# Altium PCB MB2032.PcbDoc (part 2 of 2)
Units mm, origin at the board's own origin, x right, y up, seen from the top; angles counter-clockwise.
Board outline 43.1 x 54.35 mm, 4 copper layers (Top Layer, Internal 1, Internal 2, Bottom Layer), stack 1.614 mm thick; 112 components, 86 nets, 372 pads, 581 vias.
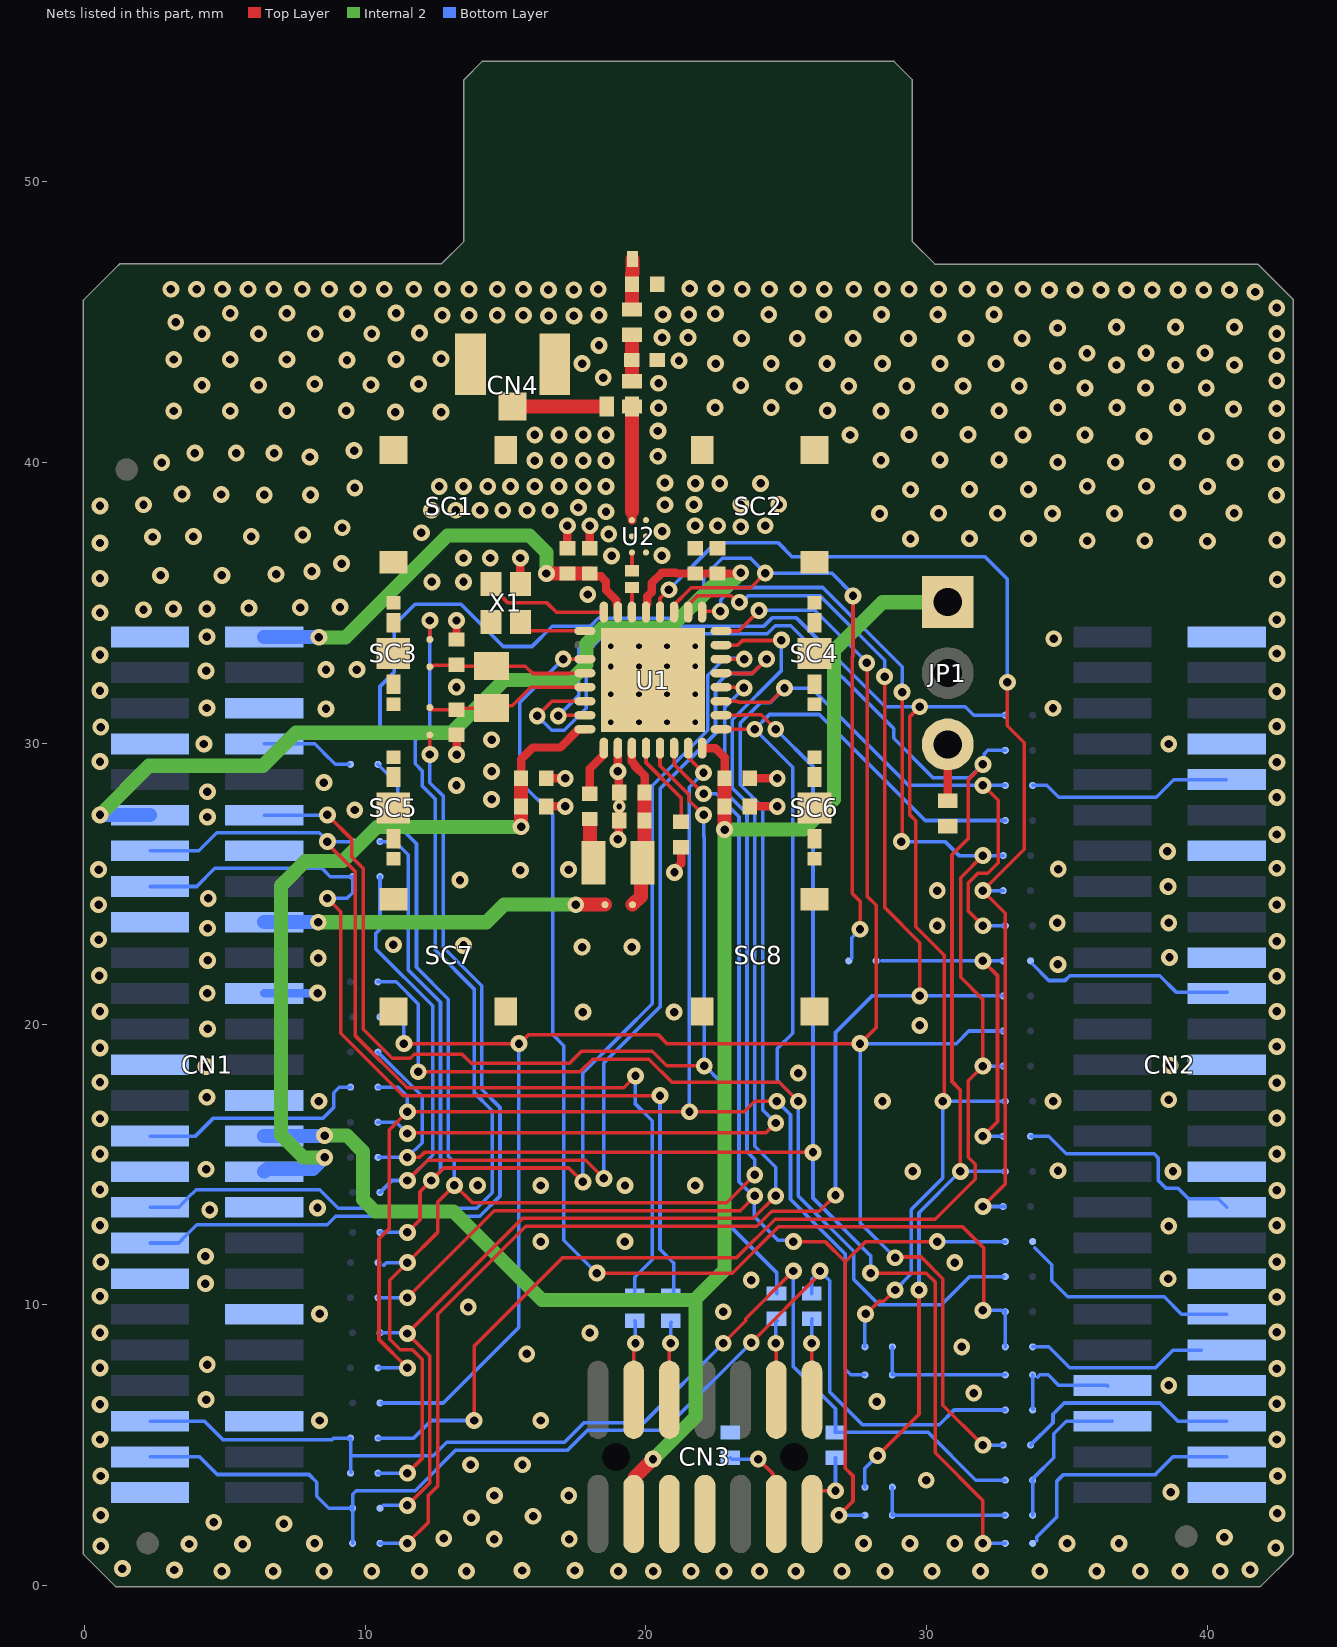
[diagram p4: the nets of this part, all layers, seen from the top]

## Via types
v1: diameter 0.6, hole 0.3, Top Layer to Bottom Layer, tented both sides, 564 vias
v2: diameter 0.45, hole 0.2, Top Layer to Bottom Layer, tented both sides, 17 vias

## Nets (pads, with @x,y where several pads share a name; then routed paths per layer and width w, separated by ;. In a path a pad name is that pad's centre, name@x,y a point inside that pad or via, vN(x,y) a via of type N, cw(c..) or ccw(c..) an arc to the next point about the centre after c; other vN are vias at no path point) (continued)
GND: C1.1 C2.1 C3.1 C4.1 C5.1 C6.1 C8.1 C9.2 C10.1 C11.1 C12.1 C13.1 C14.1 C15.1 C16.1 CN1.1 CN1.6 CN1.7 CN1.14 CN1.17 CN1.22 CN1.25 CN1.28 CN1.31 CN1.34 CN1.37 CN1.40 CN1.46 CN1.49 CN2.2 CN2.8 CN2.14 CN2.20 CN2.26 CN2.32 CN2.38 CN2.44 CN2.50 CN3.5 CN3.7 CN4.2 CN4.3 R3.1 R9.1 SC1.1 SC2.1 SC3.1 SC4.1 SC5.1 SC6.1 SC7.1 SC8.1 U1.26 U1.33 U2.A2 U2.B1 U2.B2 U2.B3 X1.2 X1.4 | length 13.1
  Top Layer w0.3: C9.2@13.25,30.3 13.251,30.299 13.251,29.597 v1(13.253,29.595) ; C8.1@13.25,33.7 v1(13.25,34.375) ; X1.2@15.525,35.925 v1(15.525,36.6) ; C14.1@16.45,27.75 v1(17.125,27.75) ; C11.1@16.45,28.75 v1(17.125,28.75) ; C3.1@17.2,36.95 v1(17.2,37.75) ; C4.1@18,36.95 v1(18,37.75) ; v1(19,26.575) 19.025,26.6 19.025,27.225 C15.1@19.05,27.25 C12.1@19.05,28.25 19.025,28.275 v1@19.025,28.925 ; v1(19,29) U1.26@19,29.825 ; v1(21.015,25.4) 21.015,25.48 21.25,25.714 C16.1@21.25,26.3 ; C13.1@23.7,27.75 v1(24.675,27.75) ; C10.1@23.7,28.75 v1(24.675,28.75)
  Bottom Layer w0.3: CN1.22@6.401,21.088 8.288,21.088 v1(8.3,21.1)
  other v1: 4.894,0.508 6.723,0.508 8.527,0.508 10.228,0.508 11.93,0.508 13.607,0.508 19.017,0.508 20.261,0.508 21.608,0.508 22.776,0.508 24.046,0.508 25.341,0.508 26.978,0.508 28.516,0.508 30.193,0.508 31.916,0.508 34.028,0.508 36.06,0.508 37.61,0.508 39.024,0.508 40.454,0.508 15.588,0.533 17.467,0.533 3.2,0.55 41.521,0.559 1.35,0.6 42.436,1.337 0.575,1.4 5.631,1.473 3.725,1.475 8.196,1.499 27.75,1.5 29.4,1.5 31,1.5 35,1.5 36.85,1.5 14.597,1.651 17.264,1.651 12.794,1.676 40.607,1.716 7.1,2.2 4.6,2.25 13.778,2.413 15.98,2.464 0.575,2.5 42.486,2.565 17.25,3.2 14.602,3.205 38.7,3.325 29.983,3.75 0.575,3.9 42.5,3.9 13.75,4.3 15.6,4.3 0.55,5.2 42.475,5.2 8.375,5.875 16.25,5.875 0.55,6.45 42.475,6.475 28.225,6.55 4.331,6.62 31.675,6.85 38.625,7.125 42.475,7.725 0.55,7.75 4.372,7.865 15.75,8.25 31.25,8.5 0.55,9 18.003,8.998 42.475,9.025 8.375,9.675 22.75,9.75 13.67,9.915 42.475,10.275 0.55,10.3 4.306,10.75 23.75,10.875 38.6,10.925 31,11.5 0.575,11.525 42.475,11.525 4.306,11.725 16.25,12.25 19.25,12.25 38.625,12.8 0.55,12.825 42.475,12.825 4.458,13.376 8.299,13.449 42.475,14.075 0.55,14.1 16.253,14.248 19.253,14.248 21.753,14.248 14,14.25 29.503,14.748 38.775,14.75 34.678,14.773 4.331,14.824 0.55,15.375 42.475,15.375 0.55,16.625 42.475,16.65 8.35,17.25 28.425,17.25 34.503,17.248 38.625,17.3 4.356,17.39 42.475,17.9 0.55,17.925 25.425,18.25 4.331,18.482 38.675,18.525 0.55,19.15 42.475,19.2 4.382,19.828 29.75,19.95 17.75,20.425 21,20.425 0.55,20.45 42.475,20.45 4.372,21.098 42.475,21.7 0.525,21.725 34.675,22.125 4.382,22.266 8.325,22.35 38.65,22.375 17.725,22.74 19.5,22.74 13.5,22.8 11,22.825 42.475,22.95 0.5,23 4.382,23.409 30.375,23.5 34.65,23.6 38.625,23.6 0.5,24.25 42.475,24.25 4.407,24.476 30.375,24.75 38.6,24.893 13.375,25.125 0.5,25.5 15.525,25.48 17.246,25.5 34.684,25.518 42.475,25.55 38.575,26.15 42.475,26.75 4.375,27.375 9.625,27.625 14.5,28 42.475,28.075 4.375,28.275 13.25,28.5 8.525,28.6 14.5,29 42.475,29.325 0.55,29.35 4.25,29.975 38.625,29.975 14.5,30.125 0.575,30.575 42.475,30.6 8.6,31.225 4.356,31.258 34.5,31.25 42.475,31.85 0.55,31.875 13.25,32 4.331,32.579 8.6,32.625 9.7,32.625 0.55,33.15 42.475,33.2 34.525,33.725 4.356,33.798 42.475,34.4 0.55,34.65 2.1,34.759 3.163,34.789 4.356,34.789 5.855,34.814 7.684,34.835 9.1,34.85 17.925,35.3 12.375,35.75 13.5,35.75 42.486,35.832 0.55,35.875 2.71,35.982 4.894,35.982 6.825,36.023 8.1,36.125 9.159,36.402 13.5,36.6 14.45,36.6 18.775,36.675 20.568,36.685 0.551,37.135 40,37.2 35.718,37.214 37.77,37.214 42.477,37.236 29.423,37.283 31.524,37.296 33.624,37.296 2.425,37.35 3.878,37.363 5.936,37.363 7.775,37.425 18.675,37.45 12,37.5 20.575,37.55 9.181,37.677 23.375,37.715 21.75,37.75 22.55,37.75 24.25,37.75 28.323,38.183 30.424,38.196 32.524,38.196 34.476,38.186 36.69,38.186 38.95,38.2 40.95,38.2 18.576,38.25 12.361,38.3 13.225,38.3 14.089,38.3 14.899,38.3 15.763,38.3 16.575,38.3 17.591,38.4 0.551,38.456 2.1,38.5 20.675,38.5 21.708,38.502 23.382,38.502 24.732,38.502 42.461,38.837 4.869,38.862 6.4,38.85 8.05,38.85 3.475,38.875 29.423,39.033 31.524,39.046 33.624,39.046 9.625,39.1 12.636,39.15 13.5,39.15 14.364,39.15 15.174,39.15 16.038,39.15 16.902,39.15 17.766,39.15 18.576,39.15 35.718,39.158 37.824,39.158 40,39.15 21.762,39.258 22.626,39.258 24.084,39.258 20.675,39.275 42.444,39.96 2.75,40 34.668,40.014 36.72,40.014 38.934,40.014 40.986,40.014 16.038,40.068 16.902,40.068 17.766,40.068 18.576,40.068 28.373,40.083 30.474,40.096 32.574,40.096 8.025,40.2 20.425,40.225 3.931,40.338 5.404,40.338 6.75,40.338 9.6,40.425 37.746,40.932 39.96,40.932 42.467,40.97 16.038,40.986 16.902,40.986 17.766,40.986 18.576,40.986 27.273,40.983 29.374,40.996 31.474,40.996 33.426,40.986 35.64,40.986 20.425,41.125 11.075,41.8 12.7,41.8 28.373,41.833 3.175,41.838 5.191,41.838 7.2,41.85 9.325,41.85 26.46,41.85 30.474,41.846 32.574,41.846 40.932,41.904 42.467,41.927 20.45,41.95 22.464,41.958 24.462,41.958 34.668,41.958 36.774,41.958 38.934,41.958 35.64,42.66 37.8,42.66 39.96,42.66 25.27,42.725 27.223,42.725 29.29,42.725 31.298,42.725 33.298,42.725 4.183,42.755 6.2,42.755 23.373,42.75 10.2,42.775 8.2,42.8 11.9,42.8 20.45,42.825 42.467,42.918 18.475,43.025 34.661,43.444 36.762,43.476 38.862,43.476 40.962,43.476 17.725,43.525 22.48,43.525 24.461,43.525 26.448,43.525 28.423,43.525 30.48,43.525 32.473,43.525 21.175,43.625 9.35,43.65 3.175,43.671 5.191,43.671 7.208,43.671 11.1,43.675 12.7,43.7 42.467,43.807 35.711,43.897 37.812,43.909 39.912,43.909 18.325,44.175 23.405,44.425 25.386,44.425 27.373,44.425 29.348,44.425 31.405,44.425 33.398,44.425 20.575,44.45 21.5,44.45 4.183,44.588 6.2,44.588 8.216,44.588 10.232,44.588 42.467,44.594 11.932,44.613 34.661,44.794 36.762,44.826 38.862,44.826 40.962,44.826 3.25,45 16.531,45.224 17.431,45.224 12.742,45.25 13.7,45.25 14.7,45.25 15.631,45.25 18.325,45.249 20.6,45.275 21.525,45.275 24.37,45.275 26.323,45.275 28.39,45.275 30.398,45.275 32.398,45.275 9.35,45.3 22.473,45.3 5.191,45.321 7.208,45.321 11.1,45.325 42.467,45.509 41.699,46.077 16.525,46.15 17.425,46.15 34.372,46.147 35.288,46.147 36.204,46.147 37.12,46.147 38.036,46.147 38.952,46.147 39.868,46.147 40.784,46.147 3.077,46.177 3.992,46.177 4.908,46.177 5.824,46.177 6.74,46.177 7.757,46.175 8.722,46.175 9.738,46.175 10.675,46.175 11.725,46.175 12.742,46.175 13.7,46.175 14.7,46.175 15.631,46.175 18.3,46.175 23.43,46.175 24.395,46.175 25.411,46.175 26.348,46.175 27.398,46.175 28.415,46.175 29.373,46.175 30.423,46.175 31.43,46.175 32.423,46.175 33.423,46.175 21.561,46.2 22.498,46.2
  other v2: 19.05,27.75 18.75,30.75 19.75,30.75 20.75,30.75 21.75,30.75 18.75,31.75 19.75,31.75 20.75,31.75 21.75,31.75 18.75,32.737 19.75,32.737 20.75,32.75 21.75,32.75 18.75,33.457 19.75,33.457 20.75,33.457 21.75,33.457
LD1: CN2.10 SB9.2 | length 7.3
  Bottom Layer w0.127: SB9.2@33.775,28.5 34.275,28.5 34.7,28.075 38.175,28.075 38.8,28.7 CN2.10@40.675,28.7
LD2: CN1.29 SB16.2 | length 8.2
  Bottom Layer w0.127: CN1.29@2.334,16.008 3.953,16.008 4.595,16.65 8.5,16.65 8.875,17.025 8.875,17.55 9.075,17.75 SB16.2@9.475,17.75
LD3: CN2.48 SB7.2 | length 8.8
  Bottom Layer w0.127: 33.925,1.6 33.925,1.725 34.625,2.425 34.625,3.7 34.875,3.95 38.15,3.95 ; 38.138,3.953 38.764,4.578 CN2.48@40.688,4.578
LPUART_CTS: SB49.1 SB52.2 SB53.2 | length 11.7
  Top Layer w0.127: v1(32,16) 32.523,16.523 32.523,21.727 v1(32,22.25)
  Bottom Layer w0.127: 28.4,22.25 v1(32,22.25) SB52.2@32.7,22.25 ; v1(32,16) SB53.2@32.725,16 SB53.2@32.75,16
LPUART_RTS: CN1.8 SB45.2 | length 3.3
  Bottom Layer w0.127: CN1.8@6.401,29.978 8.203,29.978 8.5,29.682 8.5,29.675 8.925,29.25 SB45.2@9.425,29.25
LPUART_RX: SB31.2 SB35.2 SB57.1 | length 5
  Bottom Layer w0.127: SB31.2@28.775,2.5 SB57.1@32.8,2.5 ; SB35.2@28.775,3.5 28.775,2.55 SB31.2@28.8,2.525
LPUART_TX: SB29.2 SB33.2 SB55.1 | length 5
  Bottom Layer w0.127: SB29.2@28.775,7.5 SB33.2@28.775,8.5 ; SB29.2@28.8,7.525 28.825,7.5 SB55.1@32.8,7.5
NetANT1_1: ANT1.1 C1.2 R10.2 | length 1.7
  Top Layer w0.5: R10.2@19.5,45.5 C1.2@19.5,46.35 ; C1.2@19.5,46.425 19.5,46.725 19.52,46.745 ANT1.1@19.52,47.25
NetC2_2: C2.2 R1.2 R10.1 | length 1.6
  Top Layer w0.5: R1.2@19.5,42.9 R10.1@19.5,44.525
NetC7_1: C7.1 U1.14 | length 0.9
  Top Layer w0.15: U1.14@19.5,34.675 C7.1@19.5,35.55
NetC7_2: C7.2 U2.A3 | length 0.6
  Top Layer w0.15: C7.2@19.5,36.15 U2.A3@19.5,36.795
NetC8_2: C8.2 SB1.2 U1.20 X2.2 | length 5.6
  Top Layer w0.127: SB1.2@12.301,32.749 12.412,32.749 12.438,32.775 13.225,32.775 C8.2@13.25,32.8 ; C8.2@13.3,32.775 13.325,32.75 X2.2@14.5,32.75 15.7,32.75 15.963,32.487 17.263,32.487 17.276,32.5 U1.20@17.825,32.5
NetC9_1: C9.1 SB2.2 U1.21 X2.1 | length 5.7
  Top Layer w0.127: SB2.2@12.301,31.201 12.414,31.201 ; 12.415,31.2 C9.1@13.25,31.2 ; C9.1@13.325,31.25 X2.1@14.5,31.25 14.591,31.341 15.241,31.341 15.9,32 U1.21@17.8,32
NetC12_2: C12.2 C15.2 L3.1 SB3.1 U1.27 | length 5.9
  Top Layer w0.3: U1.27@19.5,29.825 19.5,29.349 19.6,29.249 19.6,29.2 19.95,28.85 C12.2@19.95,28.3
  Top Layer w0.5: SB3.1@19.525,24.25 19.82,24.545 19.82,25.695 L3.1@19.875,25.75 ; L3.1@19.875,25.775 19.95,25.85 C15.2@19.95,27.25 C12.2@19.95,28.25
NetC16_2: C16.2 U1.28 | length 3.1
  Top Layer w0.127: U1.28@20,29.825 20,29.314 21.25,28.064 C16.2@21.25,27.2
NetCN2_22: CN2.22 SB52.1 | length 7.5
  Bottom Layer w0.127: 33.775,22.125 34.35,21.55 34.925,21.55 35.1,21.725 38.3,21.725 38.9,21.125 CN2.22@40.7,21.125
NetCN2_34: CN2.34 SB53.1 | length 8.5
  Bottom Layer w0.127: SB53.1@33.7,16 34.35,16 34.975,15.375 38.1,15.375 38.25,15.225 38.25,14.425 38.525,14.15 38.95,14.15 39.325,13.775 40.385,13.775 CN2.34@40.691,13.468
NetCN2_43: CN2.43 SB54.2 SB55.2 | length 3.9
  Bottom Layer w0.127: SB55.2@33.775,7.5 33.775,6.3 SB54.2@33.8,6.275 ; 33.95,7.425 34.025,7.5 34.325,7.5 34.7,7.125 36.425,7.125 CN2.43@36.45,7.1
NetCN2_45: CN2.45 SB56.2 SB57.2 | length 5.5
  Bottom Layer w0.127: SB56.2@33.75,3.75 33.775,3.725 SB57.2@33.775,2.5 ; SB56.2@33.775,3.75 33.775,3.784 33.838,3.848 33.838,3.864 34.525,4.55 34.525,5.4 34.975,5.85 CN2.45@36.6,5.85
NetCN3_4: CN3.4 R7.1 | length 2.8
  Top Layer w0.127: CN3.4@19.561,6.614 19.561,8.561 v1(19.625,8.625)
  Bottom Layer w0.127: R7.1@19.6,9.425 19.625,9.4 v1(19.625,8.625)
NetCN3_6: CN3.6 R6.1 | length 2.8
  Top Layer w0.127: CN3.6@20.831,6.614 20.831,8.581 v1(20.875,8.625)
  Bottom Layer w0.127: v1(20.875,8.625) 20.875,9.35 R6.1@20.9,9.375
NetCN3_11: CN3.11 R9.2 | length 3.2
  Top Layer w0.127: v1(24,4.5) 24.524,3.976 24.524,2.662 CN3.11@24.641,2.544
  Bottom Layer w0.127: R9.2@23,4.55 23.05,4.5 v1(24,4.5)
NetCN3_12: CN3.12 R5.1 | length 2.8
  Top Layer w0.127: v1(24.625,8.625) 24.641,8.609 CN3.12@24.641,6.614
  Bottom Layer w0.127: v1(24.625,8.625) 24.625,9.375 R5.1@24.675,9.425
NetCN3_13: CN3.13 R8.2 | length 2.7
  Top Layer w0.127: CN3.13@25.911,2.544 25.911,3.092 26.195,3.375 v1(26.75,3.375)
  Bottom Layer w0.127: v1(26.75,3.375) R8.2@26.75,4.55
NetCN3_14: CN3.14 R4.1 | length 2.9
  Top Layer w0.127: v1(25.9,8.625) 25.911,8.614 CN3.14@25.911,6.614
  Bottom Layer w0.127: v1(25.9,8.625) 25.9,9.475 R4.1@25.925,9.5
NetCN4_1: CN4.1 R2.2 | length 3.4
  Top Layer w0.5: CN4.1@15.25,42 R2.2@18.6,42
NetJP1_3: JP1.3 R3.2 | length 2
  Top Layer w0.3: R3.2@30.75,27.95 JP1.3@30.75,29.96 JP1.3@30.75,29.975
NetL2_1: L2.1 L3.2 | length 1.6
  Top Layer w0.5: L2.1@18,27.3 18,25.925 L3.2@18.125,25.8
NetL2_2: L2.2 U1.25 | length 1.8
  Top Layer w0.3: L2.2@18,28.225 18,29.1 18.5,29.6 U1.25@18.5,29.825
NetR1_1: R1.1 R2.1 U2.A1 | length 4.1
  Top Layer w0.32: U2.A1@19.5,37.949 19.5,38.25
  Top Layer w0.5: 19.5,38.25 R2.1@19.5,42
NetU1_16: U1.16 X1.3 | length 4.2
  Top Layer w0.127: X1.3@14.65,35.45 14.787,35.314 14.787,35.299 15.086,35 16.475,35 16.8,34.675 U1.16@18.475,34.675
NetU1_17: U1.17 X1.1 | length 2.4
  Top Layer w0.127: X1.1@15.525,34.325 15.837,34.013 17.812,34.013 U1.17@17.825,34
OSC32_IN: CN1.33 SB1.1 | length 35.4
  Top Layer w0.127: SB1.1@12.3,33.7 v1(12.3,34.375)
  Bottom Layer w0.127: CN1.33@2.334,13.468 3.356,13.468 3.663,13.775 3.663,13.788 3.975,14.1 8.375,14.1 9.039,13.437 13.97,13.437 14.523,13.99 14.523,16.91 13.875,17.558 13.875,21.25 12.5,22.625 12.5,28.008 12.023,28.485 12.023,29.027 11.775,29.275 11.775,30.1 12.3,30.625 v1(12.3,34.375)
OSC32_OUT: CN1.35 SB2.1 | length 30.6
  Top Layer w0.127: v1(12.3,29.6) SB2.1@12.3,30.3
  Bottom Layer w0.127: CN1.35@2.334,12.198 3.356,12.198 3.663,12.505 3.663,12.513 4,12.85 8.65,12.85 8.95,13.15 14.075,13.15 14.8,13.875 14.8,17.025 14.152,17.673 14.152,21.365 12.777,22.74 12.777,28.123 12.3,28.6 v1(12.3,29.6)
PA0: SB4.2 SB6.2 SB12.2 SB23.2 U1.8 | length 77.2
  Top Layer w0.127: v1(11.375,19.3) 15.5,19.3 15.825,19.625 20.425,19.625 20.748,19.302 21.34,19.302 21.342,19.3 v1(27.625,19.3) 28.2,19.875 28.2,24.225 27.875,24.55 27.875,32.857 v1(27.866,32.866) ; U1.8@22.675,34 23.3,34 v1(24.024,34.726) ; v1(28.875,11.675) 28.9,11.7 29.8,11.7 30.577,10.923 30.577,6.423 v1(32,5)
  Bottom Layer w0.127: SB4.2@10.526,20.274 SB4.2@10.639,20.274 ; SB23.2@10.575,6.5 12.775,6.5 15.475,9.2 v1(15.475,19.3) ; SB4.2@10.64,20.275 11.075,20.275 11.375,19.975 v1(11.375,19.3) ; v1(24.024,34.726) 24.041,34.742 26.007,34.742 27.866,32.884 v1(27.866,32.866) ; v1(28.875,11.675) 27.625,12.925 v1(27.625,19.3) 31.05,19.3 31.5,19.75 SB12.2@32.725,19.75 ; v1(32,5) SB6.2@32.725,5
PA1: SB25.2 SB38.2 U1.7 | length 47.2
  Top Layer w0.127: v1(11.5,2.85) 12.298,3.648 12.298,4.465 12.3,4.467 12.3,8.175 v1(11.5,8.975) 15.6,13.075 23.825,13.075 v1(24.625,13.875) ; U1.7@22.675,33.5 23.274,33.5 23.435,33.661 24.811,33.661 v1(24.825,33.675)
  Bottom Layer w0.127: SB25.2@10.525,9 11.475,9 v1(11.5,8.975) ; 10.65,2.85 v1(11.5,2.85) ; v1(24.625,13.875) 24.625,14.9 23.875,15.65 23.875,27.608 23.075,28.408 23.075,30.835 24.812,32.573 24.812,32.887 24.813,32.888 24.813,33.663 v1(24.825,33.675)
PA2: SB11.2 SB19.2 U1.6 | length 44.6
  Top Layer w0.127: v1(11.5,12.575) 11.95,13.025 11.95,14.025 12.796,14.871 17.254,14.871 v1(17.75,14.375) ; U1.6@22.675,33 v1(23.5,33)
  Bottom Layer w0.127: SB19.2@10.525,12.575 v1(11.5,12.575) ; SB11.2@10.525,26.5 11.05,26.5 11.525,26.025 11.525,21.925 12.679,20.771 12.679,14.754 v1(12.35,14.425) ; v1(17.75,14.375) 17.75,18.25 19.125,19.625 20.225,20.725 20.225,28.492 22.198,30.465 22.198,32.423 22.8,33.025 23.2,33.025 ; 23.2,33 v1(23.5,33)
PA3: SB17.2 SB30.2 U1.5 | length 44.1
  Top Layer w0.127: v1(11.5,14.425) 12.223,15.148 17.852,15.148 v1(18.5,14.5) ; U1.5@22.675,32.5 23.274,32.5 23.287,32.487 23.787,32.487 24.299,32.999 v1(24.299,33)
  Bottom Layer w0.127: SB30.2@10.525,14 10.95,14.425 v1(11.5,14.425) 12.4,15.325 12.4,15.808 12.402,15.81 12.402,20.225 ; SB17.2@10.525,25.25 10.525,23.375 10.375,23.225 10.375,22.675 12.4,20.65 12.4,20.225 ; v1(18.5,14.5) 18.5,18.608 20.502,20.61 20.502,28.377 22.475,30.35 22.475,32.05 22.912,32.487 23.787,32.487 24.299,32.999 v1(24.299,33)
PA8: SB39.2 SB41.2 SB51.1 U1.9 | length 58.8
  Top Layer w0.127: v1(13.875,5.875) 13.875,8.525 17.025,11.675 23.225,11.675 24.6,13.05 30.3,13.05 31.725,14.475 31.725,15 31.475,15.25 31.475,17.975 v1(32,18.5) 32,20.875 31.21,21.665 31.21,25.209 v1(32,26) ; U1.9@22,34.675 22.025,34.7 v1(22.65,34.7) ; v1(29.1,26.5) 29.125,26.525 v1(29.125,31.825)
  Bottom Layer w0.127: SB51.1@10.45,5.25 11.725,5.25 12.35,5.875 v1(13.875,5.875) ; v1(22.65,34.7) 22.666,34.716 22.666,35.116 23.1,35.55 26.3,35.55 29.125,32.725 v1(29.125,31.825) ; v1(29.1,26.5) 30.65,26.5 31.15,26 v1(32,26) SB41.2@32.725,26 ; v1(32,18.5) SB39.2@32.725,18.5
PA9: SB46.2 SB47.2 U1.10 | length 58.8
  Top Layer w0.127: v1(11.5,1.5) 12.25,2.25 12.25,3.208 12.575,3.533 12.575,4.35 12.577,4.352 12.577,9.66 15.715,12.798 23.948,12.798 24.45,13.3 24.458,13.3 24.485,13.327 26.177,13.327 v1(26.75,13.9) ; U1.10@21.5,34.675 21.5,34.925 21.839,35.264 23.015,35.264 23.253,35.026 v1(23.326,35.026) ; v1(28.5,32.375) 28.5,24.15 29.75,22.9 v1(29.75,21)
  Bottom Layer w0.127: SB46.2@10.525,1.5 v1(11.5,1.5) ; v1(23.326,35.026) 23.412,35.026 23.637,35.25 26.208,35.25 28.5,32.958 v1(28.5,32.375) ; v1(26.75,13.9) 26.75,19.7 28.05,21 v1(29.75,21) SB47.2@32.725,21
PA10: SB48.2 SB49.2 U1.11 | length 40.5
  Top Layer w0.127: U1.11@21,34.675 21,34.925 21.615,35.541 23.727,35.541 v1(24.25,36.063) ; v1(27.375,35.25) 27.375,33.101 27.348,33.074 27.348,24.652 27.625,24.375 v1@27.625,23.425
  Bottom Layer w0.127: SB48.2@10.525,30.5 10.525,32.025 11.025,32.525 11.025,34.2 11.773,34.948 13.41,34.948 14.91,33.448 15.94,33.448 16.665,34.173 18.023,34.173 18.304,34.454 21.271,34.454 22.05,35.233 22.05,35.921 22.717,36.588 23.725,36.588 v1(24.25,36.063) 26.612,36.063 27.375,35.3 v1(27.375,35.25) ; 27.325,22.35 27.325,23.075 v1(27.625,23.375)
PA11: SB43.2 SB44.2 U1.12 | length 39.6
  Top Layer w0.127: U1.12@20.5,34.675 20.5,35.172 20.799,35.471 v1(20.816,35.471) ; v1(32,13.5) 32.8,14.3 32.8,23.95 v1(32,24.75) 33.475,26.225 33.475,30.025 32.875,30.625 v1(32.875,32.175)
  Bottom Layer w0.127: v1(20.816,35.471) 22.495,37.15 24.7,37.15 25.198,36.652 26.14,36.652 26.142,36.65 32.075,36.65 32.875,35.85 v1(32.875,32.175) ; v1(32,13.5) SB44.2@32.725,13.5 SB44.2@32.8,13.5 ; v1(32,24.75) SB43.2@32.725,24.75
PB0: SB8.1 SB28.1 SB45.1 U1.4 | length 60.5
  Top Layer w0.127: v1(11.5,4) 12.023,4.523 12.023,8.06 11.683,8.4 11.25,8.4 10.875,8.775 10.875,10.875 v1(11.5,11.5) 12.575,12.575 12.575,13.65 v1(13.175,14.25) ; v1@13.175,14.275 13.825,13.625 15.367,13.625 15.371,13.629 22.879,13.629 v1(23.875,14.625) ; U1.4@22.675,32 23.46,32 v1(23.487,31.973)
  Bottom Layer w0.127: SB28.1@10.45,4 v1(11.5,4) ; SB45.1@10.45,29.25 11.15,28.55 11.15,27.1 11.825,26.425 11.825,22.017 12.956,20.886 12.956,15.294 13.175,15.075 v1(13.175,14.25) ; 10.65,11.4 10.75,11.5 v1(11.5,11.5) ; v1(23.487,31.973) 23.487,31.96 22.798,31.271 22.798,28.294 23.598,27.494 23.598,15.452 23.875,15.175 v1(23.875,14.625)
PB1: SB9.1 SB10.1 SB22.1 U1.3 | length 50
  Top Layer w0.127: v1(11.5,16.1) 11.525,16.125 24.275,16.125 v1(24.625,16.475) ; U1.3@22.675,31.5 23.247,31.5 23.287,31.46 24.425,31.46 v1(24.933,31.967) ; v1@31.975,23.525 31.487,24.014 31.487,25.037 31.825,25.375 32.175,25.375 32.55,25.75 32.55,27.975 v1@32,28.525
  Bottom Layer w0.127: SB10.1@10.45,16.5 11.1,16.5 v1(11.5,16.1) ; v1(24.625,16.475) 24.152,16.948 24.152,27.723 23.352,28.523 23.352,30.721 24.081,31.45 24.416,31.45 v1(24.933,31.967) 25.883,31.967 29.35,28.5 v1(32,28.5) SB9.1@32.8,28.5 ; v1(32,23.5) 32.75,23.5 SB22.1@32.775,23.525
PB2: SB5.1 SB7.1 SB13.1 U1.2 | length 56.4
  Top Layer w0.127: v1(11.5,15.25) 11.933,15.25 12.108,15.425 v1(25.95,15.425) ; U1.2@22.675,31 23.424,31 23.437,31.013 24.112,31.013 v1(24.625,30.5) ; v1(28,11.125) 29.983,11.125 30.3,10.808 30.3,4.725 32,3.025 v1(32,1.5)
  Bottom Layer w0.127: SB13.1@10.45,19 12.025,17.425 12.025,15.775 v1(11.5,15.25) SB5.1@10.475,15.25 ; v1(24.625,30.5) 25.95,29.175 25.95,13.8 28,11.75 v1(28,11.125) ; v1(32,1.5) SB7.1@32.8,1.5
PB3: SB14.1 SB15.1 SB24.1 U1.1 | length 58.1
  Top Layer w0.127: v1(11.889,18.3) 17.65,18.3 18.098,18.748 20.102,18.748 20.925,17.925 24.75,17.925 v1(25.425,17.25) ; U1.1@22.675,30.5 v1(23.875,30.5)
  Bottom Layer w0.127: SB15.1@10.45,21.5 11.1,21.5 11.889,20.712 v1(11.889,18.3) ; SB24.1@32.75,11 31.525,11 30.525,10 28.3,10 27.4,10.9 27.4,11.9 25.425,13.875 v1(25.425,17.25) 24.675,18 24.675,19.125 25.225,19.675 25.225,29.15 v1(23.875,30.5) 24.4,31.025 26.175,31.025 29.95,27.25 SB14.1@32.8,27.25
PB4: SB16.1 SB18.1 SB29.1 U1.31 | length 50.8
  Top Layer w0.127: v1(11.5,7.75) 10.49,8.76 10.49,12.354 10.85,12.715 10.85,16.225 v1(11.5,16.875) v1(21.55,16.875) 23.5,16.875 23.875,17.25 v1(24.665,17.25) ; U1.31@21.5,29.825 21.533,29.792 21.533,29.467 v1(22.05,28.95)
  Bottom Layer w0.127: SB16.1@10.45,17.75 11.175,17.75 11.5,17.425 v1(11.5,16.875) ; SB18.1@10.475,7.75 v1(11.5,7.75) ; v1(21.55,16.875) 21.538,16.887 21.538,28.439 v1(22.05,28.95) ; v1(24.665,17.25) 25.148,16.767 25.148,13.76 27.102,11.806 27.102,7.698 27.3,7.5 SB29.1@27.8,7.5
PB5: SB20.1 SB21.1 SB31.1 U1.30 | length 53.2
  Top Layer w0.127: v1(11.5,10.25) 14.598,13.348 15.481,13.348 15.485,13.352 23.352,13.352 v1(23.875,13.875) ; U1.30@21,29.825 21,29.25 22.05,28.2 v1(22.052,28.2) ; v1(25.25,12.25) 26.375,12.25 27.1,11.525 ; v1(26.875,2.5) 27.375,3 27.375,3.9 27.1,4.175 27.1,11.525 ; v1(30.375,12.25) 27.825,12.25 27.1,11.525
  Bottom Layer w0.127: SB21.1@10.45,10.25 v1(11.5,10.25) ; v1(22.052,28.2) 22.5,28.2 23.313,27.386 23.313,14.387 23.85,13.85 23.85,13.15 24.7,12.3 25.2,12.3 v1(25.25,12.25) ; v1(26.875,2.5) SB31.1@27.725,2.5 ; v1(30.375,12.25) SB20.1@32.8,12.25
PB6: SB32.1 SB33.1 SB40.1 U1.23 | length 47.7
  Top Layer w0.127: v1(16.875,30.975) 16.9,31 U1.23@17.825,31 ; v1@27.85,9.675 28.3,10.125 28.475,10.125 v1(28.875,10.525) ; v1(29.75,31.3) 29.402,30.952 29.402,27.448 29.613,27.237 29.613,23.462 30.623,22.452 30.623,17.298 v1(30.575,17.25)
  Bottom Layer w0.127: v1(16.875,30.975) 17.6,31.7 17.6,33.35 18.427,34.177 24.202,34.177 24.49,34.465 25.36,34.465 28.525,31.3 v1(29.75,31.3) 31.375,31.3 31.675,31 SB32.1@32.8,31 ; SB33.1@27.8,8.5 27.8,9.65 v1(27.825,9.675) ; v1(28.875,10.525) 29.448,11.098 29.448,13.39 30.575,14.517 v1(30.575,17.25) SB40.1@32.8,17.25
PB7: SB34.1 SB35.1 SB42.1 U1.22 | length 53.9
  Top Layer w0.127: v1(16.125,30.975) 16.65,31.5 U1.22@17.825,31.5 ; v1(28.25,4.625) 29.725,6.1 v1(29.725,10.525) ; v1(31.2,14.75) 31.198,14.752 31.198,17.652 30.9,17.95 30.9,26.025 31.487,26.612 31.487,28.713 32,29.226 v1(32,29.25)
  Bottom Layer w0.127: v1(16.125,30.975) 16.638,30.462 17.088,30.462 17.877,31.251 17.877,33.235 18.542,33.9 24.317,33.9 24.605,34.188 25.162,34.188 28.825,30.525 28.825,30.175 30.223,28.777 31.527,28.777 v1(32,29.25) 32.057,29.307 32.057,29.632 32.175,29.75 SB34.1@32.8,29.75 ; SB35.1@27.8,3.5 27.8,4.175 v1(28.25,4.625) v1@28.275,4.65 ; v1(29.725,10.525) 29.725,13.275 v1(31.2,14.75) SB42.1@32.8,14.75
PB14: SB36.1 SB37.1 U1.19 | length 43.6
  Top Layer w0.127: v1(17.05,33) U1.19@17.825,33 ; v1(18.25,11.125) 23.075,11.125 24.723,12.773 31.277,12.773 32.025,12.025 v1@32.025,9.8
  Bottom Layer w0.127: v1(17.05,33) 15.502,31.452 15.502,28.636 16.675,27.463 16.675,19.625 17.075,19.225 17.075,12.3 v1(18.25,11.125) ; v1(32,9.8) 32.662,9.8 32.688,9.774 32.774,9.774 SB36.1@32.788,9.788 ; SB36.1@32.775,9.8 SB36.1@32.787,9.788 ; SB37.1@32.8,8.5 SB36.1@32.8,9.75 32.8,9.775 SB36.1@32.788,9.788 ; SB36.1@32.8,9.8 SB36.1@32.788,9.788
T_NRST: CN1.12 R5.2 U1.29 | length 44.7
  Top Layer w0.127: v1(8.65,27.45) 9.525,26.575 9.525,25.942 9.927,25.54 9.927,19.815 10.967,18.775 11.6,18.775 11.75,18.925 13.448,18.925 13.775,18.598 17.275,18.598 17.702,19.025 20.225,19.025 20.74,18.51 v1(22.075,18.51) ; U1.29@20.5,29.825 20.5,29.206 21.527,28.179 21.527,27.973 22.05,27.45 v1(22.052,27.45)
  Bottom Layer w0.127: CN1.12@6.401,27.438 8.638,27.438 v1(8.65,27.45) ; v1(22.052,27.45) 22.05,27.448 22.05,26.675 22.075,26.65 22.075,18.525 22.675,17.925 22.675,13.125 24.651,11.149 R5.2@24.651,10.397
T_SWCLK: CN1.15 R6.2 SB17.1 | length 33.8
  Top Layer w0.127: v1(8.65,24.475) 9.125,24 9.125,19.675 11.35,17.45 v1(20.5,17.45)
  Bottom Layer w0.127: CN1.15@2.334,24.898 3.991,24.898 4.636,25.543 8.457,25.543 8.75,25.25 SB17.1@9.55,25.25 ; v1(8.65,24.475) 9.35,24.475 9.55,24.675 SB17.1@9.55,25.25 ; SB17.1@9.575,25.25 SB17.1@9.55,25.25 ; v1(20.5,17.45) 20.5,11.975 20.975,11.5 ; R6.2@20.887,10.328 20.982,10.423 20.982,11.5
T_SWDIO: CN1.13 R7.2 SB11.1 | length 34
  Top Layer w0.127: v1@8.625,26.45 9.65,25.425 9.65,19.575 11.498,17.727 19.202,17.727 v1(19.625,18.15)
  Bottom Layer w0.127: CN1.13@2.334,26.168 4.067,26.168 4.712,26.813 8.362,26.813 v1@8.675,26.5 ; v1(8.65,26.5) v1@8.675,26.5 ; SB11.1@9.475,26.5 v1@8.675,26.5 ; R7.2@19.6,10.45 19.6,10.975 20.225,11.6 20.225,11.858 20.223,11.86 20.223,16.552 19.625,17.15 v1(19.625,18.15)
T_VCP_RX: CN1.45 R8.1 SB28.2 SB51.2 SB56.1 | length 40.3
  Top Layer w0.127: v1(22.75,8.625) 23.55,9.425 23.55,9.5 v1(25.25,11.2)
  Bottom Layer w0.127: CN1.45@2.334,5.848 4.274,5.848 4.925,5.198 8.823,5.198 8.875,5.25 SB51.2@9.475,5.25 9.475,4.625 ; SB28.2@9.5,4.025 9.475,4.05 9.475,4.625 ; v1(22.75,8.625) 19.927,5.802 17.802,5.802 17.1,5.1 12.9,5.1 12.425,4.625 9.475,4.625 ; v1(25.25,11.2) 25.25,7.8 26.75,6.3 R8.1@26.75,5.5 ; R8.1@26.725,5.475 26.749,5.45 30.05,5.45 31.75,3.75 SB56.1@32.8,3.75
T_VCP_TX: CN1.47 R4.2 SB38.1 SB46.1 SB54.1 | length 42.3
  Top Layer w0.127: v1(23.75,8.65) 26.2,11.1 v1(26.2,11.2)
  Bottom Layer w0.127: CN1.47@2.334,4.578 4.102,4.578 4.728,3.953 7.997,3.953 8.275,3.675 8.275,3.175 8.7,2.75 SB38.1@9.55,2.75 9.55,3.25 9.675,3.375 11.775,3.375 13.223,4.823 17.215,4.823 17.917,5.525 20.625,5.525 v1(23.75,8.65) ; SB46.1@9.55,1.5 SB38.1@9.55,2.725 ; R4.2@25.909,10.397 25.909,10.902 26.175,11.168 v1@26.175,11.225 ; v1(26.2,11.2) 26.55,10.85 26.55,6.892 27.715,5.727 30.452,5.727 30.975,6.25 SB54.1@32.8,6.25
USER1: CN2.46 SB6.1 | length 8.1
  Bottom Layer w0.127: SB6.1@33.7,5 34.5,5.8 34.5,6.1 34.9,6.5 38.3,6.5 38.952,5.848 CN2.46@40.691,5.848
USER2: CN2.40 SB20.2 | length 8.2
  Bottom Layer w0.127: 33.85,12.025 34.45,11.425 34.45,10.85 35.022,10.278 38.46,10.278 39.08,9.658 CN2.40@40.688,9.658
USER3: CN2.42 SB37.2 | length 6.6
  Bottom Layer w0.127: SB37.2@33.775,8.5 34.35,8.5 35.1,7.75 38.15,7.75 38.775,8.375 CN2.42@39.775,8.375
VDD1: C3.2 C4.2 CN1.2 U1.15 | length 16
  Top Layer w0.3: C4.2@18,36.05 18.105,35.945 18.399,35.945 18.575,35.769 18.575,35.461 18.95,35.086 18.95,34.95 19,34.9 U1.15@19,34.675
  Top Layer w0.5: v1(16.45,36.05) C3.2@17.2,36.05 C4.2@18,36.05
  Internal 2 w0.5: v1@8.375,33.775 9.3,33.775 12.925,37.4 15.85,37.4 16.45,36.8 v1(16.45,36.05)
  Bottom Layer w0.5: CN1.2@6.398,33.788 CN1.2@6.401,33.788 8.337,33.788 v1(8.35,33.775)
VDD2: C5.2 C6.2 CN1.11 U1.13 | length 33.1
  Top Layer w0.3: U1.13@20,34.675 20,34.9 20.05,34.95 20.05,35.236 20.2,35.386 20.2,35.703 20.568,36.071 21.063,36.071 21.085,36.05 C5.2@21.75,36.05 22.525,36.05 23.35,36.05 v1(23.375,36.075)
  Internal 2 w0.5: v1(0.55,27.45) 2.3,29.2 6.35,29.2 7.525,30.375 13.075,30.375 14.95,32.25 17.325,32.25 17.875,32.8 17.875,33.55 18.45,34.125 20.875,34.125 22.325,35.575 22.875,35.575 v1(23.375,36.075)
  Bottom Layer w0.5: v1(0.55,27.45) 0.556,27.444 2.326,27.444 CN1.11@2.331,27.438
VDD3: CN1.18 SB3.2 | length 12.4
  Top Layer w0.5: v1@17.55,24.25 SB3.2@18.544,24.25
  Internal 2 w0.5: v1(8.325,23.625) 14.325,23.625 14.95,24.25 v1(17.5,24.25)
  Bottom Layer w0.5: CN1.18@6.401,23.628 8.322,23.628 v1(8.325,23.625)
VDD4: C10.2 C13.2 CN1.30 CN3.3 JP1.1 U1.32 | length 62.4
  Top Layer w0.3: U1.32@22,29.825 22.475,29.825 22.8,29.5 C10.2@22.8,28.775
  Top Layer w0.5: CN3.3@19.561,2.544 19.607,2.59 19.607,3.857 v1(20.25,4.5) ; v1(22.8,26.925) C13.2@22.8,27.75 ; C13.2@22.8,27.775 C10.2@22.8,28.75
  Internal 2 w0.5: v1(8.55,16.025) 9.35,16.025 9.925,15.45 9.925,13.75 10.35,13.325 13.15,13.325 16.3,10.175 21.75,10.175 ; v1@20.25,4.482 21.762,5.994 21.762,10.206 22.8,11.244 v1(22.8,26.925) 25.625,26.925 26.7,28 26.7,33.3 28.425,35.025 JP1.1@30.75,35.025
  Bottom Layer w0.5: CN1.30@6.401,16.008 8.533,16.008 v1(8.55,16.025)
VDD5: C11.2 C14.2 CN1.32 U1.24 | length 27.6
  Top Layer w0.3: C11.2@15.55,28.75 15.55,29.433 15.967,29.85 16.95,29.85 17.6,30.5 U1.24@17.825,30.5
  Top Layer w0.5: v1(15.55,27.025) C14.2@15.55,27.75 C11.2@15.55,28.725
  Internal 2 w0.5: v1(8.55,15.25) 7.8,15.25 7,16.05 7,24.925 7.875,25.8 9.2,25.8 10.425,27.025 v1(15.55,27.025)
  Bottom Layer w0.5: CN1.32@6.401,14.738 6.496,14.833 8.133,14.833 v1(8.55,15.25)
pads on no net: CN1.3 CN1.4 CN1.5 CN1.10 CN1.16 CN1.19 CN1.20 CN1.21 CN1.23 CN1.27 CN1.39 CN1.41 CN1.43 CN1.48 CN1.50 CN2.1 CN2.3 CN2.4 CN2.5 CN2.6 CN2.12 CN2.16 CN2.17 CN2.18 CN2.19 CN2.24 CN2.28 CN2.30 CN2.31 CN2.33 CN2.36 CN2.47 CN2.49 CN3.1 CN3.2 CN3.8 CN3.9 CN3.10 CN3.NPTH1 CN3.NPTH2 Designator3.1 MIRE1.1 MIRE2.1 MIRE3.1 MIRE4.1 MIRE5.1 MIRE6.1

## Polygon pours and split planes (outlines as drawn)
GND on Top Layer "Top Layer-GND" (solid, remove dead copper, pour order 9): -6.693,46.75 44.006,46.75 44.006,-1.076 -6.693,-1.076
no net on Top Layer "RF_OUT" (solid, pour order 5): 18.086,34.103 18.004,33.83 17.707,33.82 17.641,34.077
GND on Internal 2 "Internal 2-GND" (solid, remove dead copper, pour order 11): -4.508,46.634 47.486,46.634 47.486,-0.721 -4.508,-0.721
GND on Internal 1 "Internal 1-GND" (solid, remove dead copper, pour order 13): 16.05,44.95 16.25,44.75 16.25,42.45 18.5,42.45 18.85,42.8 18.85,46.584 -2.679,46.584 -2.679,-1.635 44.793,-1.635 44.793,46.584 20.15,46.584 20.15,37.15 18.85,37.15 18.85,41.3 14.55,41.3 14.3,41.55 14.3,44.85 14.4,44.95
GND on Bottom Layer "Bottom Layer-GND" (solid, remove dead copper, pour order 7): -3.848,46.634 43.676,46.634 43.676,-1.508 -3.848,-1.508

## Keep-outs
Keep-Out Layer:
  lines w0.1: 43,1.141 43,45.795 41.78,47.015 30.285,47.015 29.45,47.85 29.45,53.6 28.8,54.25 24.415,54.25 18.625,54.25 14.15,54.25 13.55,53.65 13.55,47.85 12.715,47.015 1.26,47.015 0,45.755 0,1.139 1.139,0 41.852,0 42.504,0.647 43.001,1.141

## Other copper
Top Layer:
  pour cut-out: 13.95,34.75 13.95,36.25 15.15,36.25 15.15,35.25 15.9,35.25 15.9,33.75 14.85,33.75 14.85,34.75 14.025,34.75
  pour cut-out: 13.725,32.15 13.725,31.8 13.8,31.8 13.825,31.825 13.825,32.15
  pour cut-out: 14.3,44.85 14.4,44.95 16.05,44.95 16.25,44.75 16.25,42.35 14.3,42.35
  pour cut-out: 17.5,29.5 17.5,26.725 15,26.725 15,29.026 15.474,29.5
  pour cut-out: 18.65,26.275 19.325,26.275 19.325,26.125 18.65,26.125
  pour cut-out: 18.75,30.2 18.75,30.4 19.275,30.4 19.275,30.2
  text "1" at 2.25,41 h2 r90
Internal 1:
  text "2" at 2.25,42.25 h2 r90
Internal 2:
  text "3" at 2.25,44.5 h2 r90
Bottom Layer:
  text "4" at 2.25,46 h2 r90
Multi-Layer:
  pour cut-out: 0.5,40.5 2.75,40.5 2.75,46.6 0.5,46.6

## Silkscreen, mask and mechanical layers (free items; w line width, h text height)
Top Overlay:
  lines w0.05: -0.592,0 1.139,0 ; 0,-0.5 0,1.139
  text "L" at 3,39.7 h13
  text "BOOT" at 32.75,35.267 h1.5
  text "Loader" at 32.75,34.015 h1.5
  text "USER" at 32.5,30.017 h1.5
  text "FLASH" at 32.5,28.767 h1.5
  text "J" at 2.75,6 h8
  text "K" at 34,3.6 h13
  text "MB2032B" at 2.25,2.75 h2.5
Bottom Overlay:
  text "H" at 41,42.75 h7.62
  text "E" at 28,41.5 h7.62
  text "F" at 21.75,41.25 h7.62
  text "C" at 34.75,41.25 h7.62
  text "G" at 9.25,41 h7.62
  text "S" at 15.5,41 h6
  text "I" at 40.5,38.5 h7.62
Top Solder:
  region: 2.5,40.75 2.5,46.35 0.75,46.35 0.75,40.75
Bottom Solder:
  region: 2.5,40.75 2.5,46.35 0.75,46.35 0.75,40.75
M1-Board Shape:
  lines w0.1: 1.245,47 0,45.755 0,45.75 0,1.139 1.139,0 41.852,0 43.001,1.141 ; 1.26,47.015 1.282,47.037 12.742,47.037 13.563,47.858 13.563,53.615 14.198,54.25 28.803,54.25 29.438,53.615 29.438,47.855 30.257,47.035 ; 30.257,47.015 41.78,47.015 43,45.795 ; 43,1.141 43,45.795 ; 43.001,45.795 43,45.795
M2-Board Dimensions:
  lines w0.1: -5.613,47 0.61,47 ; -5.334,0 0.889,0 ; 0,-11.198 0,0.464 ; 43,-10.994 43,0.667
  lines w0.254: -5.798,2 -5.131,0 ; -5.797,45 -5.131,47 ; -5.385,0 -4.877,0 ; -5.385,47 -4.877,47 ; -5.131,19.955 -5.131,0 ; -5.131,27.045 -5.131,47 ; -4.464,2 -5.131,0 ; -4.464,45 -5.131,47 ; 0,-11.121 0,-10.613 ; 2,-11.534 0,-10.867 ; 2,-10.201 0,-10.867 ; 17.955,-10.867 0,-10.867 ; 25.045,-10.867 43,-10.867 ; 41,-11.534 43,-10.867 ; 41,-10.201 43,-10.867 ; 43,-11.121 43,-10.613
  text "47 (mm)" at -4.29,20.209 h2 r90
  text "43 (mm)" at 18.209,-11.708 h2
M4-Bottom Dimensions:
  lines w0.1: -1.323,33.788 2.334,33.788 ; 2.334,-5 2.334,33.788 ; 36.624,-5 36.624,33.788 ; 44.448,33.788 2.334,33.788
  lines w0.254: 2.334,-5.254 2.334,-4.746 ; 4.334,-5.667 2.334,-5 ; 4.334,-4.333 2.334,-5 ; 14.717,-5 2.334,-5 ; 24.242,-5 36.624,-5 ; 34.624,-5.667 36.624,-5 ; 34.624,-4.333 36.624,-5 ; 36.624,-5.254 36.624,-4.746
  text "34.29 (mm)" at 14.971,-5.841 h2
  text "CN1/CN2 spacing" at 12.954,-7.595 h2
Drill Drawing:
  drawing of 231 lines, arcs and shapes, not listed
  text "mils" at 31.397,176.353 h2.54
  text "mils" at 19.916,176.302 h2.54
  text "+/-10%" at 75.487,169.18 h3
  text "50 ohm" at 44.987,169.142 h3
  text "TOP" at -3.325,169.108 h3
  text "5.905" at 18.237,169.108 h3
  text "5.708" at 30.81,169.108 h3
  text "NA" at 61.487,169.108 h3
  text "Layer" at -0.942,115.974 h1.55
  text "Name" at 5.548,115.974 h1.55
  text "Material" at 18.101,115.974 h1.55
  text "Thickness" at 29.381,115.974 h1.55
  text "Constant" at 38.646,115.974 h1.55
  text "Board Layer Stack" at 47.221,115.974 h1.55
  text "Top Overlay" at 5.548,112.874 h1.55
  text "Top Solder" at 5.548,109.774 h1.55
  text "Solder Resist" at 18.101,109.774 h1.55
  text "0,015mm" at 29.381,109.774 h1.55
  text "3.5" at 38.646,109.774 h1.55
  text "1" at -0.942,106.674 h1.55
  text "Top Layer" at 5.548,106.674 h1.55
  text "0,042mm" at 29.381,106.674 h1.55
  text "Dielectric 1" at 5.548,103.574 h1.55
  text "FR-4" at 18.101,103.574 h1.55
  text "0,106mm" at 29.381,103.574 h1.55
  text "4.2" at 38.646,103.574 h1.55
  text "2" at -0.943,100.474 h1.55
  text "Internal 1" at 5.548,100.474 h1.55
  text "0,035mm" at 29.381,100.474 h1.55
  text "Dielectric 3" at 5.548,97.374 h1.55
  text "1,248mm" at 29.381,97.374 h1.55
  text "4.2" at 38.646,97.374 h1.55
  text "3" at -0.942,94.274 h1.55
  text "Internal 2" at 5.548,94.274 h1.55
  text "0,035mm" at 29.381,94.274 h1.55
  text "Dielectric 2" at 5.548,91.174 h1.55
  text "0,106mm" at 29.381,91.174 h1.55
  text "4.2" at 38.646,91.174 h1.55
  text "4" at -0.942,88.074 h1.55
  text "Bottom Layer" at 5.548,88.074 h1.55
  text "0,042mm" at 29.381,88.074 h1.55
  text "Bottom Solder" at 5.548,84.974 h1.55
  text "Solder Resist" at 18.101,84.974 h1.55
  text "0,015mm" at 29.381,84.974 h1.55
  text "3.5" at 38.646,84.974 h1.55
  text "Bottom Overlay" at 5.548,81.874 h1.55
  text "Symbol" at -0.019,76.617 h2.16
  text "Count" at 8.443,76.617 h2.16
  text "Hole Size" at 17.221,76.617 h2.16
  text "Plated" at 32.772,76.617 h2.16
  text "Hole Type" at 40.2,76.617 h2.16
  text "Drill Layer Pair" at 51.014,76.617 h2.16
  text "Via/Pad" at 71.513,76.617 h2.16
  text "Pad Shape" at 80.375,76.617 h2.16
  text "Template" at 91.951,76.617 h2.16
  text "Description" at 106.373,76.617 h2.16
  text "17" at 8.443,72.889 h1.8
  text "0,20mm (7,87mil)" at 17.221,72.889 h1.8
  text "PTH" at 32.772,72.889 h1.8
  text "Round" at 40.2,72.889 h1.8
  text "Top Layer - Bottom Layer" at 51.014,72.889 h1.8
  text "Via" at 71.513,72.889 h1.8
  text "Rounded" at 80.375,72.889 h1.8
  text "v45h20m0mx0" at 91.951,72.889 h1.8
  text "564" at 8.443,69.161 h1.8
  text "0,30mm (11,81mil)" at 17.221,69.161 h1.8
  text "PTH" at 32.772,69.161 h1.8
  text "Round" at 40.2,69.161 h1.8
  text "Top Layer - Bottom Layer" at 51.014,69.161 h1.8
  text "Via" at 71.513,69.161 h1.8
  text "Rounded" at 80.375,69.161 h1.8
  text "v60h30m0mx0" at 91.951,69.161 h1.8
  text "2" at 8.443,65.433 h1.8
  text "1,00mm (39,37mil)" at 17.221,65.433 h1.8
  text "NPTH" at 32.772,65.433 h1.8
  text "Round" at 40.2,65.433 h1.8
  text "Top Layer - Bottom Layer" at 51.014,65.433 h1.8
  text "Pad" at 71.513,65.433 h1.8
  text "Rounded" at 80.375,65.433 h1.8
  text "c0hn100m105p-1" at 91.951,65.433 h1.8
  text "3" at 8.443,61.704 h1.8
  text "1,00mm (39,37mil)" at 17.221,61.704 h1.8
  text "PTH" at 32.772,61.704 h1.8
  text "Round" at 40.2,61.704 h1.8
  text "Top Layer - Bottom Layer" at 51.014,61.704 h1.8
  text "Pad" at 71.513,61.704 h1.8
  text "Rounded" at 80.375,61.704 h1.8
  text "(Mixed)" at 91.951,61.704 h1.8
  text "586 Total" at 8.443,57.976 h1.8

## Text inside footprints (layer, text, board x,y; h text height)
CN1: M15-Bottom Assembly "2" at 6.621,33.998 h1 r90; M15-Bottom Assembly "49" at 2.737,3.773 h1 r90; M15-Bottom Assembly "50" at 6.621,3.748 h1 r90; M15-Bottom Assembly "1" at 2.737,33.898 h1 r90; Bottom Overlay "1" at 2.25,34.75 h1.5 r90
CN2: M15-Bottom Assembly "1" at 37.027,33.898 h1 r90; M15-Bottom Assembly "50" at 40.911,3.748 h1 r90; M15-Bottom Assembly "49" at 37.027,3.773 h1 r90; M15-Bottom Assembly "2" at 40.911,33.998 h1 r90; Bottom Overlay "1" at 36.25,34.75 h1.5 r90
CN3: M14-Top Assembly "2" at 18.081,6.454 h1; M14-Top Assembly "13" at 25.501,2.039 h1; M14-Top Assembly "14" at 25.501,6.484 h1; M14-Top Assembly "1" at 18.181,2.054 h1; Top Overlay "2" at 17.181,6.429 h1.5; Top Overlay "1" at 17.481,1.729 h1.5
Designator1: Drill Drawing "IMPEDANCE TABLE" at -3.263,184.065 h3; Drill Drawing "LAYER" at 0.987,179.065 h3; Drill Drawing "TOP" at -3.263,172.565 h3; Drill Drawing "19.685" at 18.237,172.565 h3; Drill Drawing "TRACE" at 17.237,179.065 h3; Drill Drawing "SPACING" at 27.737,179.065 h3; Drill Drawing "5.708" at 30.81,172.669 h3; Drill Drawing "IMPEDANCE" at 41.237,179.065 h3; Drill Drawing "(Single ended)" at 41.737,176.315 h2.5; Drill Drawing "(Differentiel)" at 59.487,176.315 h2.5; Drill Drawing "IMPEDANCE" at 58.237,179.065 h3; Drill Drawing "TOL." at 76.987,179.065 h3; Drill Drawing "50 ohm" at 44.987,172.565 h3; Drill Drawing "NA" at 61.487,172.565 h3; Drill Drawing "+/- 10%" at 75.487,172.565 h3
Designator2: Drill Drawing "TG-170" at 52.876,149.633 h3; Drill Drawing "X  TG-150" at 71.126,149.633 h3; Drill Drawing "TG-140" at 87.126,149.633 h3; Drill Drawing "GOLDEN FINGER" at 87.126,134.633 h3; Drill Drawing "IMMERSION TIN" at 87.126,137.633 h3; Drill Drawing "BLACK" at 87.126,143.633 h3; Drill Drawing "BLACK" at 71.126,140.633 h3; Drill Drawing "RED" at 71.126,143.633 h3; Drill Drawing "X  BLUE" at 52.876,143.633 h3; Drill Drawing "YELLOW" at 52.876,140.633 h3; Drill Drawing "IMMERSION SILVER" at 52.876,137.633 h3; Drill Drawing "HASL (PB-FREE)" at 52.876,134.633 h3; Drill Drawing "X  YES  (SEE IMPEDANCE TABLE FOR DETAIL INFORMATION)" at 52.876,131.633 h3; Drill Drawing "NON-CONDUCTIVE EPOXY." at 87.126,125.633 h3; Drill Drawing "X  SOLDERMASK" at 61.876,125.633 h3; Drill Drawing "H.   STACK-UP :" at -2.124,122.633 h3; Drill Drawing "SEE LAYER STACK-UP SEQUENCE FOR OVERALL THICKNESS." at 36.376,122.633 h3; Drill Drawing "F.   IMPEDANCE CONTROL :" at -2.124,131.633 h3; Drill Drawing "G.   THROUGH VIA :" at -2.124,128.633 h3; Drill Drawing "PLUG MATERIAL :" at 36.376,125.633 h3; Drill Drawing "PLUG THE VIAS WHICH ARE COVERED WITH SOLDERMASK ONE OR TWO SIDE." at 36.376,128.633 h3; Drill Drawing "NO" at 36.376,131.633 h3; Drill Drawing "HASL" at 36.376,134.633 h3; Drill Drawing "X  ENIG" at 36.376,137.633 h3; Drill Drawing "X  WHITE" at 36.376,140.633 h3; Drill Drawing "FR-4" at 36.376,149.633 h3; Drill Drawing "N/A" at 36.376,146.633 h3; Drill Drawing "GREEN" at 36.376,143.633 h3; Drill Drawing "E.   SURFACE FINISH :" at -2.124,137.633 h3; Drill Drawing "D.   SILKSCREEN COLOR :" at -2.124,140.633 h3; Drill Drawing "C.   SOLDERMASK COLOR :" at -2.124,143.633 h3; Drill Drawing "B.   MATERIAL FAMILY :" at -2.124,146.633 h3; Drill Drawing "A.   MATERIAL :" at -2.124,149.633 h3; Drill Drawing "PCB SPECIFICATIONS :" at -2.124,153.633 h3
Designator3: M20-Top Title Box "Project: '.Board_Name'" at 52.892,3.601 h3; M20-Top Title Box "Rev: '.Board_PCB_Revision'" at 92.951,-11.483 h3; M20-Top Title Box "Ref: '.Board_Reference'" at 93.008,-6.483 h3; M20-Top Title Box "Date: '.Board_Document_Date'" at 52.892,-11.483 h3; M20-Top Title Box "R" at 138.389,-8.965 h1.52; M20-Top Title Box "Layer:" at 52.893,-1.483 h3; M20-Top Title Box "Gerber:" at 92.881,-1.483 h3; M20-Top Title Box "Variant: '.VariantName'" at 52.892,-6.483 h3; M21-Bottom Title Box "Variant: '.VariantName'" at 140.698,-6.483 h3; M21-Bottom Title Box "Gerber:" at 100.709,-1.483 h3; M21-Bottom Title Box "Layer:" at 140.698,-1.483 h3; M21-Bottom Title Box "R" at 55.583,-8.965 h1.52; M21-Bottom Title Box "Date: '.Board_Document_Date'" at 140.698,-11.483 h3; M21-Bottom Title Box "Ref: '.Board_Reference'" at 100.709,-6.483 h3; M21-Bottom Title Box "Rev: '.Board_PCB_Revision'" at 100.766,-11.483 h3; M21-Bottom Title Box "Project: '.Board_Name'" at 140.698,3.601 h3
HW2: M14-Top Assembly "Product 25x5 sticker" at 40.283,18.28 h2 r90; Top Overlay "Product 25x5 sticker" at 40.58,15.484 h2 r90
HW3: M14-Top Assembly "Board 25x5 sticker" at 4.507,19.535 h2 r90; Top Overlay "Board 25x5 sticker" at 4.804,16.739 h2 r90
JP1: M14-Top Assembly "1" at 30.25,35.23 h1.5 r270; Top Overlay "1" at 30.275,36.855 h1.5 r270
U1: M14-Top Assembly "33" at 20.4,31.975 h0.5 r90; M14-Top Assembly "32" at 21.775,29.8 h0.5; M14-Top Assembly "25" at 18.25,29.8 h0.5; M14-Top Assembly "24" at 18.075,30.275 h0.5 r90; M14-Top Assembly "17" at 18.1,33.8 h0.5 r90; M14-Top Assembly "16" at 18.675,34.7 h0.5 r180; M14-Top Assembly "9" at 22.1,34.7 h0.5 r180; M14-Top Assembly "8" at 22.725,33.9 h0.5 r90; M14-Top Assembly "1" at 22.725,30.45 h0.5 r90; Top Overlay "1" at 23,29.25 h1.5
U2: M14-Top Assembly "A1" at 19.35,37.86 h0.3; M14-Top Assembly "A2" at 19.35,37.272 h0.3; M14-Top Assembly "A3" at 19.35,36.685 h0.3; M14-Top Assembly "B3" at 19.85,36.685 h0.3; M14-Top Assembly "B2" at 19.85,37.272 h0.3; M14-Top Assembly "B1" at 19.875,37.86 h0.3
X1: M14-Top Assembly "4" at 14.675,34.25 h0.5 r90; M14-Top Assembly "3" at 14.675,35.525 h0.5 r90; M14-Top Assembly "2" at 15.65,35.525 h0.5 r90; M14-Top Assembly "1" at 15.65,34.275 h0.5 r90